# KiCad board ae89fa26-SparkFun_Thing_Plus_ESP32-S3_panelized.kicad_pcb
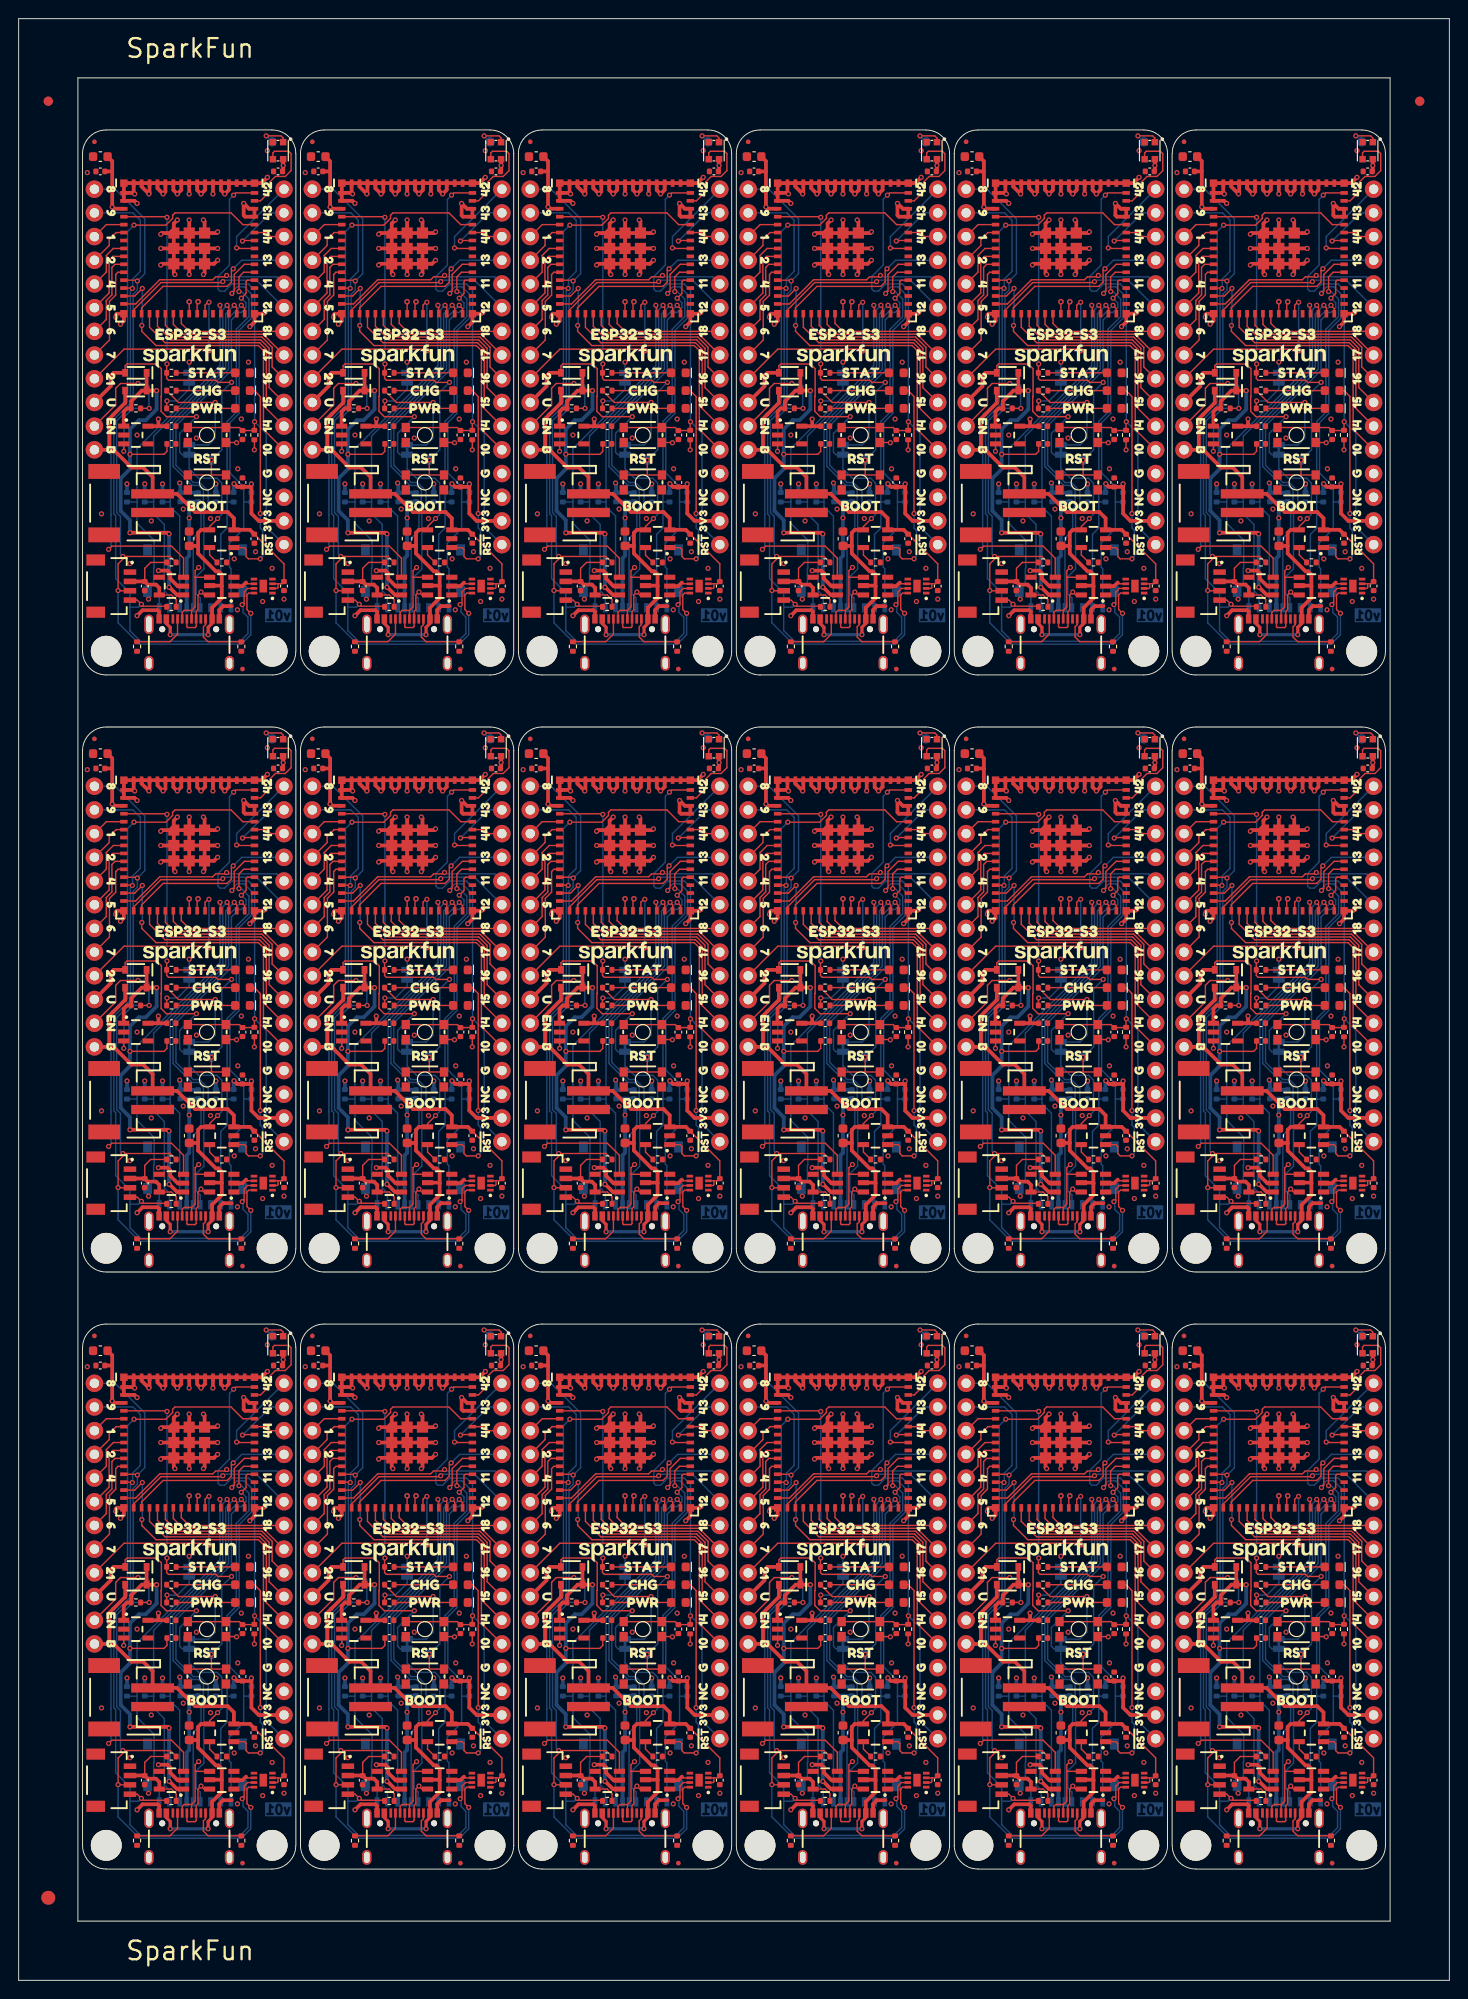
[diagram p0: board, top side]
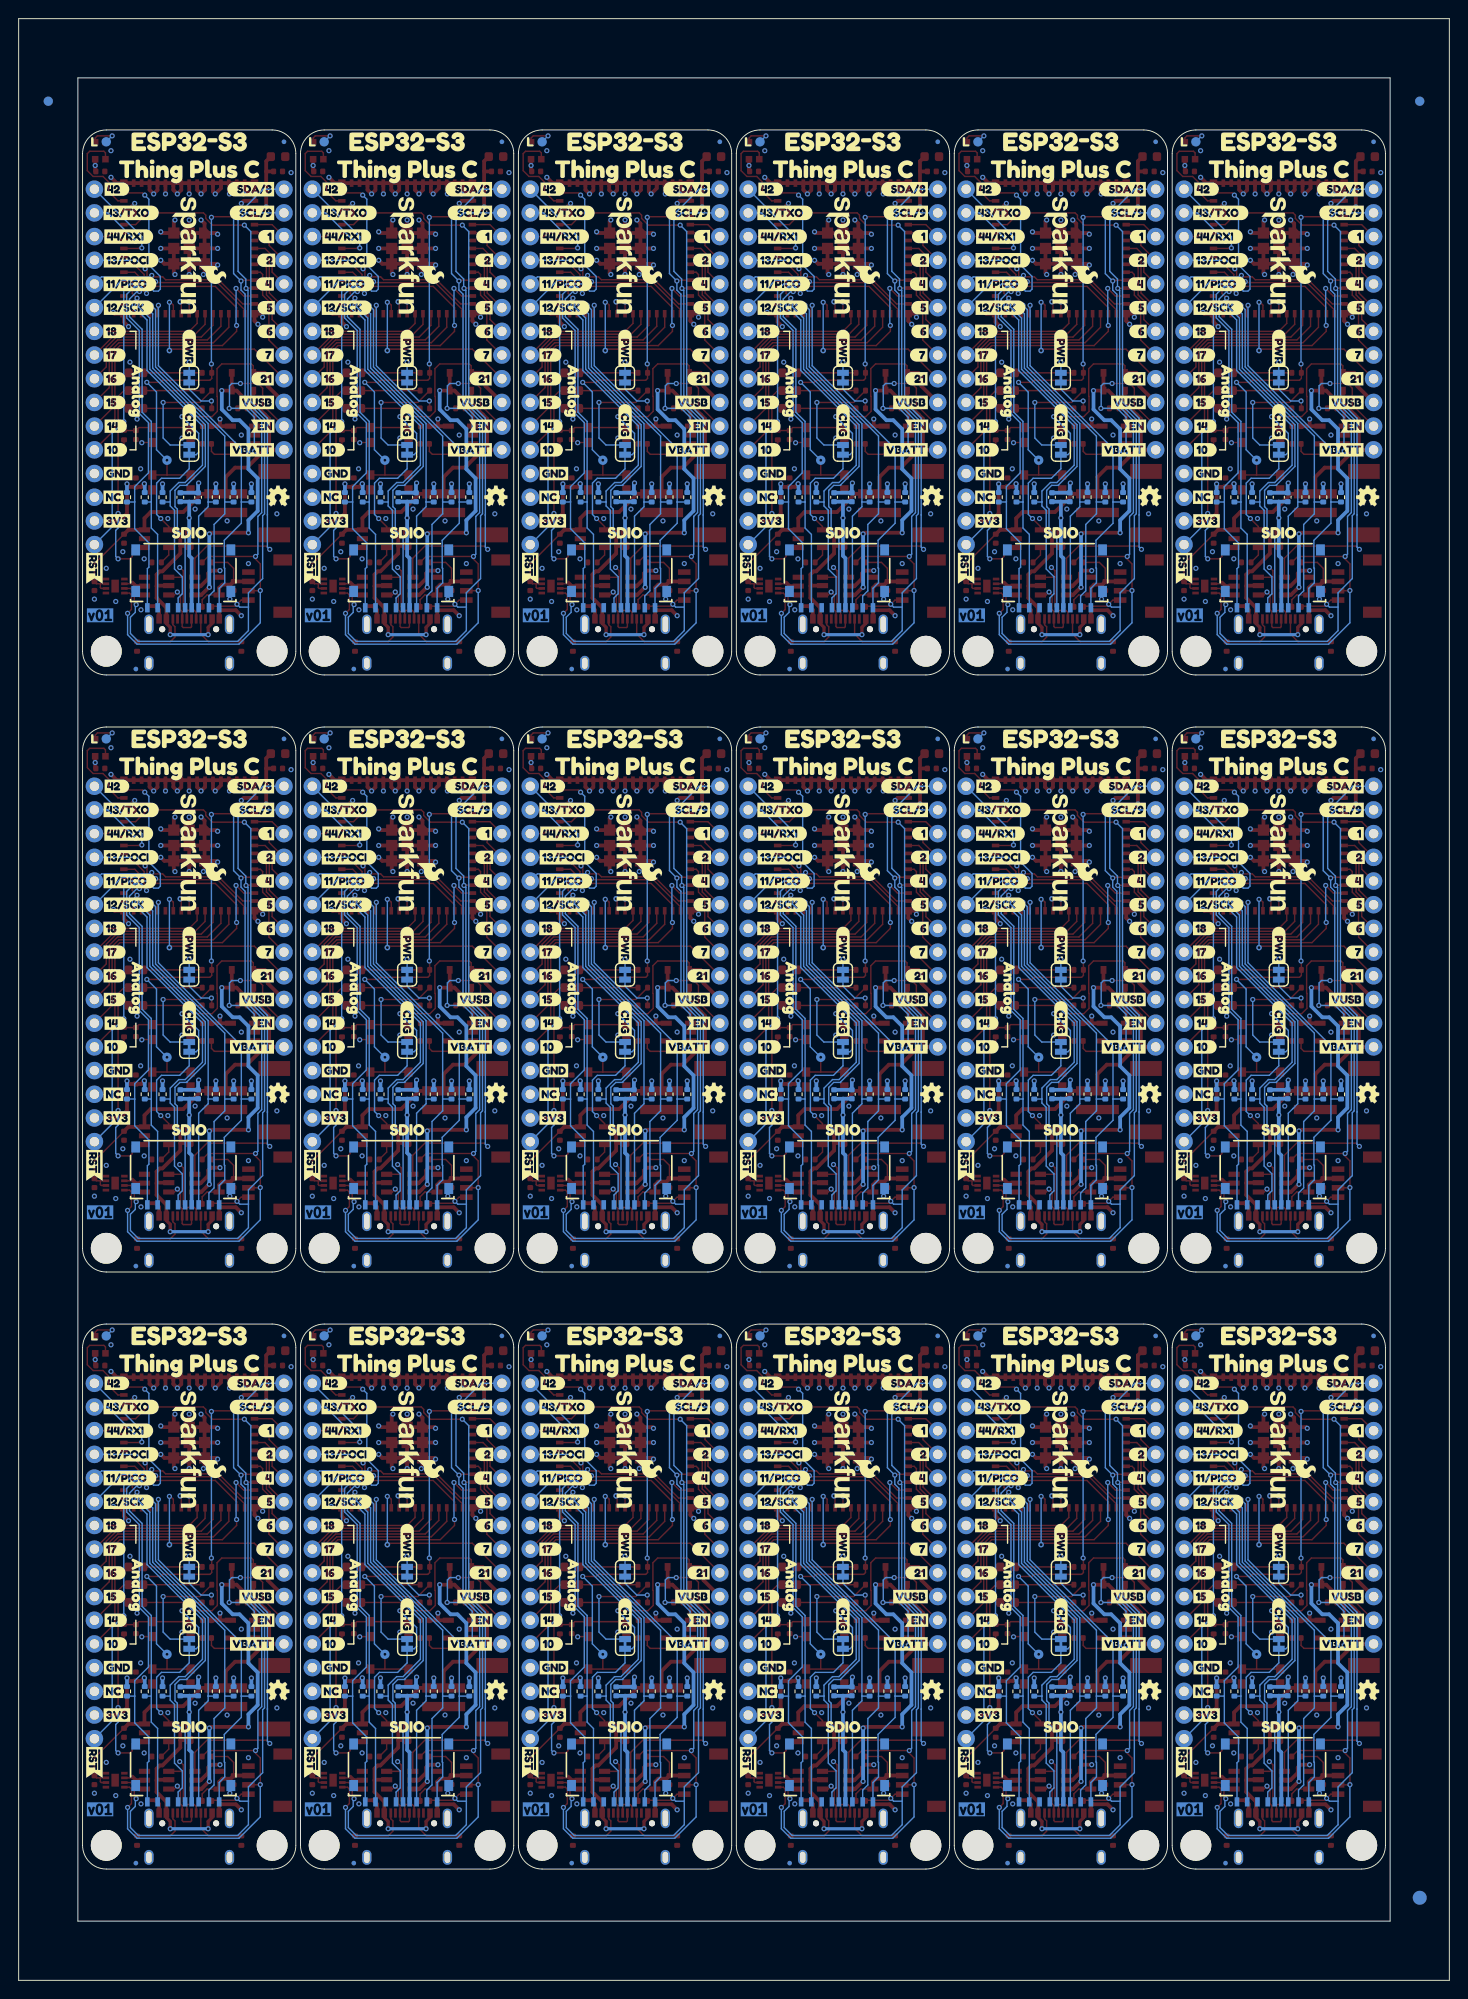
[diagram p1: board, bottom side, seen from below]

Outline 153.36 x 210.28 mm; copper layers: Top, In1.Cu - GND, In2.Cu -3V3, Bottom. Coordinates in mm from the lower left corner of the outline.
Outline path: 0,210.28 153.36,210.28 153.36,0 0,0 0,210.28 ; 6.35,203.93 147.01,203.93 147.01,6.35 6.35,6.35 6.35,203.93 ; 6.85,195.81 arc(7.59,197.61) 9.39,198.35 27.17,198.35 arc(28.97,197.61) 29.71,195.81 29.71,142.47 arc(28.97,140.67) 27.17,139.93 9.39,139.93 arc(7.59,140.67) 6.85,142.47 6.85,195.81 ; 6.85,131.81 arc(7.59,133.61) 9.39,134.35 27.17,134.35 arc(28.97,133.61) 29.71,131.81 29.71,78.47 arc(28.97,76.67) 27.17,75.93 9.39,75.93 arc(7.59,76.67) 6.85,78.47 6.85,131.81 ; 6.85,67.81 arc(7.59,69.61) 9.39,70.35 27.17,70.35 arc(28.97,69.61) 29.71,67.81 29.71,14.47 arc(28.97,12.67) 27.17,11.93 9.39,11.93 arc(7.59,12.67) 6.85,14.47 6.85,67.81 ; 30.21,195.81 arc(30.95,197.61) 32.75,198.35 50.53,198.35 arc(52.33,197.61) 53.07,195.81 53.07,142.47 arc(52.33,140.67) 50.53,139.93 32.75,139.93 arc(30.95,140.67) 30.21,142.47 30.21,195.81 ; 30.21,131.81 arc(30.95,133.61) 32.75,134.35 50.53,134.35 arc(52.33,133.61) 53.07,131.81 53.07,78.47 arc(52.33,76.67) 50.53,75.93 32.75,75.93 arc(30.95,76.67) 30.21,78.47 30.21,131.81 ; 30.21,67.81 arc(30.95,69.61) 32.75,70.35 50.53,70.35 arc(52.33,69.61) 53.07,67.81 53.07,14.47 arc(52.33,12.67) 50.53,11.93 32.75,11.93 arc(30.95,12.67) 30.21,14.47 30.21,67.81 ; 53.57,195.81 arc(54.31,197.61) 56.11,198.35 73.89,198.35 arc(75.69,197.61) 76.43,195.81 76.43,142.47 arc(75.69,140.67) 73.89,139.93 56.11,139.93 arc(54.31,140.67) 53.57,142.47 53.57,195.81 ; 53.57,131.81 arc(54.31,133.61) 56.11,134.35 73.89,134.35 arc(75.69,133.61) 76.43,131.81 76.43,78.47 arc(75.69,76.67) 73.89,75.93 56.11,75.93 arc(54.31,76.67) 53.57,78.47 53.57,131.81 ; 53.57,67.81 arc(54.31,69.61) 56.11,70.35 73.89,70.35 arc(75.69,69.61) 76.43,67.81 76.43,14.47 arc(75.69,12.67) 73.89,11.93 56.11,11.93 arc(54.31,12.67) 53.57,14.47 53.57,67.81 ; 76.93,195.81 arc(77.67,197.61) 79.47,198.35 97.25,198.35 arc(99.05,197.61) 99.79,195.81 99.79,142.47 arc(99.05,140.67) 97.25,139.93 79.47,139.93 arc(77.67,140.67) 76.93,142.47 76.93,195.81 ; 76.93,131.81 arc(77.67,133.61) 79.47,134.35 97.25,134.35 arc(99.05,133.61) 99.79,131.81 99.79,78.47 arc(99.05,76.67) 97.25,75.93 79.47,75.93 arc(77.67,76.67) 76.93,78.47 76.93,131.81 ; 76.93,67.81 arc(77.67,69.61) 79.47,70.35 97.25,70.35 arc(99.05,69.61) 99.79,67.81 99.79,14.47 arc(99.05,12.67) 97.25,11.93 79.47,11.93 arc(77.67,12.67) 76.93,14.47 76.93,67.81 ; 100.29,195.81 arc(101.03,197.61) 102.83,198.35 120.61,198.35 arc(122.41,197.61) 123.15,195.81 123.15,142.47 arc(122.41,140.67) 120.61,139.93 102.83,139.93 arc(101.03,140.67) 100.29,142.47 100.29,195.81 ; 100.29,131.81 arc(101.03,133.61) 102.83,134.35 120.61,134.35 arc(122.41,133.61) 123.15,131.81 123.15,78.47 arc(122.41,76.67) 120.61,75.93 102.83,75.93 arc(101.03,76.67) 100.29,78.47 100.29,131.81 ; 100.29,67.81 arc(101.03,69.61) 102.83,70.35 120.61,70.35 arc(122.41,69.61) 123.15,67.81 123.15,14.47 arc(122.41,12.67) 120.61,11.93 102.83,11.93 arc(101.03,12.67) 100.29,14.47 100.29,67.81 ; 123.65,195.81 arc(124.39,197.61) 126.19,198.35 143.97,198.35 arc(145.77,197.61) 146.51,195.81 146.51,142.47 arc(145.77,140.67) 143.97,139.93 126.19,139.93 arc(124.39,140.67) 123.65,142.47 123.65,195.81 ; 123.65,131.81 arc(124.39,133.61) 126.19,134.35 143.97,134.35 arc(145.77,133.61) 146.51,131.81 146.51,78.47 arc(145.77,76.67) 143.97,75.93 126.19,75.93 arc(124.39,76.67) 123.65,78.47 123.65,131.81 ; 123.65,67.81 arc(124.39,69.61) 126.19,70.35 143.97,70.35 arc(145.77,69.61) 146.51,67.81 146.51,14.47 arc(145.77,12.67) 143.97,11.93 126.19,11.93 arc(124.39,12.67) 123.65,14.47 123.65,67.81
Stack: Top 0.035mm / dielectric 0.1mm FR4 er 4.5 / In1.Cu - GND 0.035mm / dielectric 1.24mm FR4 er 4.5 / In2.Cu -3V3 0.035mm / dielectric 0.1mm FR4 er 4.5 / Bottom 0.035mm

## Placement (name value [footprint] x y rotation side)
C1  22uF  [C_0603_1608Metric]  55.47 195.49 0 top
C1#2  22uF  [C_0603_1608Metric]  32.11 67.49 0 top
C1#3  22uF  [C_0603_1608Metric]  102.19 131.49 0 top
C1#4  22uF  [C_0603_1608Metric]  125.56 67.49 0 top
C1#5  22uF  [C_0603_1608Metric]  32.11 131.49 0 top
C1#6  22uF  [C_0603_1608Metric]  32.11 195.49 0 top
C1#7  22uF  [C_0603_1608Metric]  8.75 195.49 0 top
C1#8  22uF  [C_0603_1608Metric]  8.75 131.49 0 top
C1#9  22uF  [C_0603_1608Metric]  55.47 67.49 0 top
C1#10  22uF  [C_0603_1608Metric]  55.47 131.49 0 top
C1#11  22uF  [C_0603_1608Metric]  78.84 67.49 0 top
C1#12  22uF  [C_0603_1608Metric]  78.84 131.49 0 top
C1#13  22uF  [C_0603_1608Metric]  78.84 195.49 0 top
C1#14  22uF  [C_0603_1608Metric]  102.19 67.49 0 top
C1#15  22uF  [C_0603_1608Metric]  102.19 195.49 0 top
C1#16  22uF  [C_0603_1608Metric]  125.56 131.49 0 top
C1#17  22uF  [C_0603_1608Metric]  125.56 195.49 0 top
C1#18  22uF  [C_0603_1608Metric]  8.75 67.49 0 top
C2  0.1uF  [C_0402_1005Metric]  28.44 21.46 270 top
C2#2  0.1uF  [C_0402_1005Metric]  28.44 85.46 270 top
C2#3  0.1uF  [C_0402_1005Metric]  98.52 85.46 270 top
C2#4  0.1uF  [C_0402_1005Metric]  51.8 85.46 270 top
C2#5  0.1uF  [C_0402_1005Metric]  75.16 85.46 270 top
C2#6  0.1uF  [C_0402_1005Metric]  51.8 21.46 270 top
C2#7  0.1uF  [C_0402_1005Metric]  28.44 149.46 270 top
C2#8  0.1uF  [C_0402_1005Metric]  75.16 21.46 270 top
C2#9  0.1uF  [C_0402_1005Metric]  75.16 149.46 270 top
C2#10  0.1uF  [C_0402_1005Metric]  98.52 21.46 270 top
C2#11  0.1uF  [C_0402_1005Metric]  51.8 149.46 270 top
C2#12  0.1uF  [C_0402_1005Metric]  121.88 85.46 270 top
C2#13  0.1uF  [C_0402_1005Metric]  145.24 149.46 270 top
C2#14  0.1uF  [C_0402_1005Metric]  98.52 149.46 270 top
C2#15  0.1uF  [C_0402_1005Metric]  121.88 21.46 270 top
C2#16  0.1uF  [C_0402_1005Metric]  121.88 149.46 270 top
C2#17  0.1uF  [C_0402_1005Metric]  145.24 21.46 270 top
C2#18  0.1uF  [C_0402_1005Metric]  145.24 85.46 270 top
C3  1.0uF  [C_0402_1005Metric]  13.52 21.46 270 top
C3#2  1.0uF  [C_0402_1005Metric]  13.52 85.46 270 top
C3#3  1.0uF  [C_0402_1005Metric]  13.52 149.46 270 top
C3#4  1.0uF  [C_0402_1005Metric]  36.88 21.46 270 top
C3#5  1.0uF  [C_0402_1005Metric]  36.88 85.46 270 top
C3#6  1.0uF  [C_0402_1005Metric]  130.32 85.46 270 top
C3#7  1.0uF  [C_0402_1005Metric]  106.96 85.46 270 top
C3#8  1.0uF  [C_0402_1005Metric]  130.32 149.46 270 top
C3#9  1.0uF  [C_0402_1005Metric]  83.6 21.46 270 top
C3#10  1.0uF  [C_0402_1005Metric]  36.88 149.46 270 top
C3#11  1.0uF  [C_0402_1005Metric]  60.24 149.46 270 top
C3#12  1.0uF  [C_0402_1005Metric]  60.24 85.46 270 top
C3#13  1.0uF  [C_0402_1005Metric]  83.6 149.46 270 top
C3#14  1.0uF  [C_0402_1005Metric]  106.96 149.46 270 top
C3#15  1.0uF  [C_0402_1005Metric]  130.32 21.46 270 top
C3#16  1.0uF  [C_0402_1005Metric]  60.24 21.46 270 top
C3#17  1.0uF  [C_0402_1005Metric]  83.6 85.46 270 top
C3#18  1.0uF  [C_0402_1005Metric]  106.96 21.46 270 top
C4  10uF  [C_0402_1005Metric]  17.33 30.98 90 bottom
C4#2  10uF  [C_0402_1005Metric]  64.05 158.98 90 bottom
C4#3  10uF  [C_0402_1005Metric]  110.77 30.98 90 bottom
C4#4  10uF  [C_0402_1005Metric]  40.69 94.98 90 bottom
C4#5  10uF  [C_0402_1005Metric]  40.69 158.98 90 bottom
C4#6  10uF  [C_0402_1005Metric]  17.33 94.98 90 bottom
C4#7  10uF  [C_0402_1005Metric]  64.05 30.98 90 bottom
C4#8  10uF  [C_0402_1005Metric]  17.33 158.98 90 bottom
C4#9  10uF  [C_0402_1005Metric]  64.05 94.98 90 bottom
C4#10  10uF  [C_0402_1005Metric]  40.69 30.98 90 bottom
C4#11  10uF  [C_0402_1005Metric]  87.41 30.98 90 bottom
C4#12  10uF  [C_0402_1005Metric]  87.41 94.98 90 bottom
C4#13  10uF  [C_0402_1005Metric]  87.41 158.98 90 bottom
C4#14  10uF  [C_0402_1005Metric]  110.77 94.98 90 bottom
C4#15  10uF  [C_0402_1005Metric]  110.77 158.98 90 bottom
C4#16  10uF  [C_0402_1005Metric]  134.13 30.98 90 bottom
C4#17  10uF  [C_0402_1005Metric]  134.13 94.98 90 bottom
C4#18  10uF  [C_0402_1005Metric]  134.13 158.98 90 bottom
C5  0.1uF  [C_0402_1005Metric]  19.23 158.98 90 bottom
C5#2  0.1uF  [C_0402_1005Metric]  19.23 94.98 90 bottom
C5#3  0.1uF  [C_0402_1005Metric]  112.67 30.98 90 bottom
C5#4  0.1uF  [C_0402_1005Metric]  42.59 30.98 90 bottom
C5#5  0.1uF  [C_0402_1005Metric]  42.59 94.98 90 bottom
C5#6  0.1uF  [C_0402_1005Metric]  42.59 158.98 90 bottom
C5#7  0.1uF  [C_0402_1005Metric]  65.95 94.98 90 bottom
C5#8  0.1uF  [C_0402_1005Metric]  65.95 30.98 90 bottom
C5#9  0.1uF  [C_0402_1005Metric]  65.95 158.98 90 bottom
C5#10  0.1uF  [C_0402_1005Metric]  89.31 94.98 90 bottom
C5#11  0.1uF  [C_0402_1005Metric]  89.31 30.98 90 bottom
C5#12  0.1uF  [C_0402_1005Metric]  89.31 158.98 90 bottom
C5#13  0.1uF  [C_0402_1005Metric]  136.03 30.98 90 bottom
C5#14  0.1uF  [C_0402_1005Metric]  136.03 158.98 90 bottom
C5#15  0.1uF  [C_0402_1005Metric]  112.67 94.98 90 bottom
C5#16  0.1uF  [C_0402_1005Metric]  112.67 158.98 90 bottom
C5#17  0.1uF  [C_0402_1005Metric]  136.03 94.98 90 bottom
C5#18  0.1uF  [C_0402_1005Metric]  19.23 30.98 90 bottom
C6  1.0uF  [C_0402_1005Metric]  47.35 165.65 270 top
C6#2  1.0uF  [C_0402_1005Metric]  70.72 101.65 270 top
C6#3  1.0uF  [C_0402_1005Metric]  47.35 37.65 270 top
C6#4  1.0uF  [C_0402_1005Metric]  117.44 101.65 270 top
C6#5  1.0uF  [C_0402_1005Metric]  117.44 165.65 270 top
C6#6  1.0uF  [C_0402_1005Metric]  47.35 101.65 270 top
C6#7  1.0uF  [C_0402_1005Metric]  94.07 37.65 270 top
C6#8  1.0uF  [C_0402_1005Metric]  24 165.65 270 top
C6#9  1.0uF  [C_0402_1005Metric]  24 101.65 270 top
C6#10  1.0uF  [C_0402_1005Metric]  70.72 37.65 270 top
C6#11  1.0uF  [C_0402_1005Metric]  94.07 165.65 270 top
C6#12  1.0uF  [C_0402_1005Metric]  70.72 165.65 270 top
C6#13  1.0uF  [C_0402_1005Metric]  117.44 37.65 270 top
C6#14  1.0uF  [C_0402_1005Metric]  94.07 101.65 270 top
C6#15  1.0uF  [C_0402_1005Metric]  140.79 101.65 270 top
C6#16  1.0uF  [C_0402_1005Metric]  140.79 37.65 270 top
C6#17  1.0uF  [C_0402_1005Metric]  140.79 165.65 270 top
C6#18  1.0uF  [C_0402_1005Metric]  24 37.65 270 top
C7  4.7uF  [C_0402_1005Metric]  8.75 193.91 180 top
C7#2  4.7uF  [C_0402_1005Metric]  55.47 129.91 180 top
C7#3  4.7uF  [C_0402_1005Metric]  55.47 65.91 180 top
C7#4  4.7uF  [C_0402_1005Metric]  102.19 129.91 180 top
C7#5  4.7uF  [C_0402_1005Metric]  55.47 193.91 180 top
C7#6  4.7uF  [C_0402_1005Metric]  32.11 129.91 180 top
C7#7  4.7uF  [C_0402_1005Metric]  32.11 193.91 180 top
C7#8  4.7uF  [C_0402_1005Metric]  8.75 129.91 180 top
C7#9  4.7uF  [C_0402_1005Metric]  32.11 65.91 180 top
C7#10  4.7uF  [C_0402_1005Metric]  78.84 65.91 180 top
C7#11  4.7uF  [C_0402_1005Metric]  78.84 129.91 180 top
C7#12  4.7uF  [C_0402_1005Metric]  78.84 193.91 180 top
C7#13  4.7uF  [C_0402_1005Metric]  102.19 65.91 180 top
C7#14  4.7uF  [C_0402_1005Metric]  125.56 129.91 180 top
C7#15  4.7uF  [C_0402_1005Metric]  125.56 65.91 180 top
C7#16  4.7uF  [C_0402_1005Metric]  102.19 193.91 180 top
C7#17  4.7uF  [C_0402_1005Metric]  125.56 193.91 180 top
C7#18  4.7uF  [C_0402_1005Metric]  8.75 65.91 180 top
C8  0.1uF  [C_0402_1005Metric]  121.25 129.91 180 top
C8#2  0.1uF  [C_0402_1005Metric]  27.81 65.91 180 top
C8#3  0.1uF  [C_0402_1005Metric]  51.16 65.91 180 top
C8#4  0.1uF  [C_0402_1005Metric]  27.81 129.91 180 top
C8#5  0.1uF  [C_0402_1005Metric]  27.81 193.91 180 top
C8#6  0.1uF  [C_0402_1005Metric]  74.53 129.91 180 top
C8#7  0.1uF  [C_0402_1005Metric]  121.25 65.91 180 top
C8#8  0.1uF  [C_0402_1005Metric]  144.6 129.91 180 top
C8#9  0.1uF  [C_0402_1005Metric]  144.6 65.91 180 top
C8#10  0.1uF  [C_0402_1005Metric]  144.6 193.91 180 top
C8#11  0.1uF  [C_0402_1005Metric]  97.88 129.91 180 top
C8#12  0.1uF  [C_0402_1005Metric]  97.88 193.91 180 top
C8#13  0.1uF  [C_0402_1005Metric]  51.16 129.91 180 top
C8#14  0.1uF  [C_0402_1005Metric]  74.53 65.91 180 top
C8#15  0.1uF  [C_0402_1005Metric]  51.16 193.91 180 top
C8#16  0.1uF  [C_0402_1005Metric]  74.53 193.91 180 top
C8#17  0.1uF  [C_0402_1005Metric]  97.88 65.91 180 top
C8#18  0.1uF  [C_0402_1005Metric]  121.25 193.91 180 top
C9  4.7uF  [C_0603_1608Metric]  18.28 26.54 90 top
C9#2  4.7uF  [C_0603_1608Metric]  18.28 90.54 90 top
C9#3  4.7uF  [C_0603_1608Metric]  135.08 90.54 90 top
C9#4  4.7uF  [C_0603_1608Metric]  88.36 154.54 90 top
C9#5  4.7uF  [C_0603_1608Metric]  41.64 90.54 90 top
C9#6  4.7uF  [C_0603_1608Metric]  135.08 154.54 90 top
C9#7  4.7uF  [C_0603_1608Metric]  41.64 154.54 90 top
C9#8  4.7uF  [C_0603_1608Metric]  65 26.54 90 top
C9#9  4.7uF  [C_0603_1608Metric]  65 154.54 90 top
C9#10  4.7uF  [C_0603_1608Metric]  88.36 90.54 90 top
C9#11  4.7uF  [C_0603_1608Metric]  41.64 26.54 90 top
C9#12  4.7uF  [C_0603_1608Metric]  18.28 154.54 90 top
C9#13  4.7uF  [C_0603_1608Metric]  88.36 26.54 90 top
C9#14  4.7uF  [C_0603_1608Metric]  111.72 26.54 90 top
C9#15  4.7uF  [C_0603_1608Metric]  111.72 154.54 90 top
C9#16  4.7uF  [C_0603_1608Metric]  65 90.54 90 top
C9#17  4.7uF  [C_0603_1608Metric]  111.72 90.54 90 top
C9#18  4.7uF  [C_0603_1608Metric]  135.08 26.54 90 top
C10  1.0uF  [C_0402_1005Metric]  86.46 36.7 0 top
C10#2  1.0uF  [C_0402_1005Metric]  63.09 164.7 0 top
C10#3  1.0uF  [C_0402_1005Metric]  86.46 164.7 0 top
C10#4  1.0uF  [C_0402_1005Metric]  16.38 100.7 0 top
C10#5  1.0uF  [C_0402_1005Metric]  63.09 36.7 0 top
C10#6  1.0uF  [C_0402_1005Metric]  133.18 36.7 0 top
C10#7  1.0uF  [C_0402_1005Metric]  133.18 100.7 0 top
C10#8  1.0uF  [C_0402_1005Metric]  39.74 36.7 0 top
C10#9  1.0uF  [C_0402_1005Metric]  133.18 164.7 0 top
C10#10  1.0uF  [C_0402_1005Metric]  86.46 100.7 0 top
C10#11  1.0uF  [C_0402_1005Metric]  16.38 164.7 0 top
C10#12  1.0uF  [C_0402_1005Metric]  109.81 100.7 0 top
C10#13  1.0uF  [C_0402_1005Metric]  109.81 164.7 0 top
C10#14  1.0uF  [C_0402_1005Metric]  39.74 100.7 0 top
C10#15  1.0uF  [C_0402_1005Metric]  39.74 164.7 0 top
C10#16  1.0uF  [C_0402_1005Metric]  63.09 100.7 0 top
C10#17  1.0uF  [C_0402_1005Metric]  109.81 36.7 0 top
C10#18  1.0uF  [C_0402_1005Metric]  16.38 36.7 0 top
C11  0.1uF  [C_0402_1005Metric]  94.07 96.57 90 top
C11#2  0.1uF  [C_0402_1005Metric]  24 96.57 90 top
C11#3  0.1uF  [C_0402_1005Metric]  47.35 32.57 90 top
C11#4  0.1uF  [C_0402_1005Metric]  140.79 32.57 90 top
C11#5  0.1uF  [C_0402_1005Metric]  140.79 160.57 90 top
C11#6  0.1uF  [C_0402_1005Metric]  94.07 160.57 90 top
C11#7  0.1uF  [C_0402_1005Metric]  70.72 32.57 90 top
C11#8  0.1uF  [C_0402_1005Metric]  140.79 96.57 90 top
C11#9  0.1uF  [C_0402_1005Metric]  94.07 32.57 90 top
C11#10  0.1uF  [C_0402_1005Metric]  24 160.57 90 top
C11#11  0.1uF  [C_0402_1005Metric]  47.35 96.57 90 top
C11#12  0.1uF  [C_0402_1005Metric]  70.72 160.57 90 top
C11#13  0.1uF  [C_0402_1005Metric]  70.72 96.57 90 top
C11#14  0.1uF  [C_0402_1005Metric]  47.35 160.57 90 top
C11#15  0.1uF  [C_0402_1005Metric]  117.44 32.57 90 top
C11#16  0.1uF  [C_0402_1005Metric]  117.44 96.57 90 top
C11#17  0.1uF  [C_0402_1005Metric]  117.44 160.57 90 top
C11#18  0.1uF  [C_0402_1005Metric]  24 32.57 90 top
C12  4.7uF  [C_0402_1005Metric]  25.27 26.54 270 top
C12#2  4.7uF  [C_0402_1005Metric]  25.27 154.54 270 top
C12#3  4.7uF  [C_0402_1005Metric]  25.27 90.54 270 top
C12#4  4.7uF  [C_0402_1005Metric]  48.62 90.54 270 top
C12#5  4.7uF  [C_0402_1005Metric]  71.99 26.54 270 top
C12#6  4.7uF  [C_0402_1005Metric]  71.99 90.54 270 top
C12#7  4.7uF  [C_0402_1005Metric]  71.99 154.54 270 top
C12#8  4.7uF  [C_0402_1005Metric]  48.62 154.54 270 top
C12#9  4.7uF  [C_0402_1005Metric]  48.62 26.54 270 top
C12#10  4.7uF  [C_0402_1005Metric]  95.34 26.54 270 top
C12#11  4.7uF  [C_0402_1005Metric]  142.06 90.54 270 top
C12#12  4.7uF  [C_0402_1005Metric]  95.34 154.54 270 top
C12#13  4.7uF  [C_0402_1005Metric]  118.71 154.54 270 top
C12#14  4.7uF  [C_0402_1005Metric]  142.06 26.54 270 top
C12#15  4.7uF  [C_0402_1005Metric]  95.34 90.54 270 top
C12#16  4.7uF  [C_0402_1005Metric]  118.71 26.54 270 top
C12#17  4.7uF  [C_0402_1005Metric]  118.71 90.54 270 top
C12#18  4.7uF  [C_0402_1005Metric]  142.06 154.54 270 top
C13  1.0uF  [C_0402_1005Metric]  16.38 102.6 0 top
C13#2  1.0uF  [C_0402_1005Metric]  133.18 38.6 0 top
C13#3  1.0uF  [C_0402_1005Metric]  63.09 38.6 0 top
C13#4  1.0uF  [C_0402_1005Metric]  39.74 38.6 0 top
C13#5  1.0uF  [C_0402_1005Metric]  16.38 166.6 0 top
C13#6  1.0uF  [C_0402_1005Metric]  39.74 102.6 0 top
C13#7  1.0uF  [C_0402_1005Metric]  39.74 166.6 0 top
C13#8  1.0uF  [C_0402_1005Metric]  63.09 102.6 0 top
C13#9  1.0uF  [C_0402_1005Metric]  63.09 166.6 0 top
C13#10  1.0uF  [C_0402_1005Metric]  86.46 38.6 0 top
C13#11  1.0uF  [C_0402_1005Metric]  86.46 102.6 0 top
C13#12  1.0uF  [C_0402_1005Metric]  86.46 166.6 0 top
C13#13  1.0uF  [C_0402_1005Metric]  109.81 102.6 0 top
C13#14  1.0uF  [C_0402_1005Metric]  109.81 166.6 0 top
C13#15  1.0uF  [C_0402_1005Metric]  109.81 38.6 0 top
C13#16  1.0uF  [C_0402_1005Metric]  133.18 102.6 0 top
C13#17  1.0uF  [C_0402_1005Metric]  133.18 166.6 0 top
C13#18  1.0uF  [C_0402_1005Metric]  16.38 38.6 0 top
D1  Green  [LED_0603_1608Metric]  24 108.32 180 top
D1#2  Green  [LED_0603_1608Metric]  24 172.32 180 top
D1#3  Green  [LED_0603_1608Metric]  47.35 44.32 180 top
D1#4  Green  [LED_0603_1608Metric]  70.72 44.32 180 top
D1#5  Green  [LED_0603_1608Metric]  117.44 108.32 180 top
D1#6  Green  [LED_0603_1608Metric]  94.07 44.32 180 top
D1#7  Green  [LED_0603_1608Metric]  70.72 108.32 180 top
D1#8  Green  [LED_0603_1608Metric]  117.44 172.32 180 top
D1#9  Green  [LED_0603_1608Metric]  140.79 44.32 180 top
D1#10  Green  [LED_0603_1608Metric]  140.79 172.32 180 top
D1#11  Green  [LED_0603_1608Metric]  70.72 172.32 180 top
D1#12  Green  [LED_0603_1608Metric]  94.07 172.32 180 top
D1#13  Green  [LED_0603_1608Metric]  47.35 172.32 180 top
D1#14  Green  [LED_0603_1608Metric]  47.35 108.32 180 top
D1#15  Green  [LED_0603_1608Metric]  94.07 108.32 180 top
D1#16  Green  [LED_0603_1608Metric]  117.44 44.32 180 top
D1#17  Green  [LED_0603_1608Metric]  140.79 108.32 180 top
D1#18  Green  [LED_0603_1608Metric]  24 44.32 180 top
D2  3A  [SOD-323]  82.65 108.32 180 top
D2#2  3A  [SOD-323]  59.28 108.32 180 top
D2#3  3A  [SOD-323]  59.28 172.32 180 top
D2#4  3A  [SOD-323]  59.28 44.32 180 top
D2#5  3A  [SOD-323]  106 44.32 180 top
D2#6  3A  [SOD-323]  82.65 44.32 180 top
D2#7  3A  [SOD-323]  12.56 108.32 180 top
D2#8  3A  [SOD-323]  35.93 44.32 180 top
D2#9  3A  [SOD-323]  35.93 108.32 180 top
D2#10  3A  [SOD-323]  12.56 172.32 180 top
D2#11  3A  [SOD-323]  35.93 172.32 180 top
D2#12  3A  [SOD-323]  106 108.32 180 top
D2#13  3A  [SOD-323]  106 172.32 180 top
D2#14  3A  [SOD-323]  129.37 44.32 180 top
D2#15  3A  [SOD-323]  129.37 108.32 180 top
D2#16  3A  [SOD-323]  129.37 172.32 180 top
D2#17  3A  [SOD-323]  82.65 172.32 180 top
D2#18  3A  [SOD-323]  12.56 44.32 180 top
D3  3A  [SOD-323]  12.56 106.41 180 top
D3#2  3A  [SOD-323]  82.65 170.41 180 top
D3#3  3A  [SOD-323]  35.93 42.41 180 top
D3#4  3A  [SOD-323]  12.56 170.41 180 top
D3#5  3A  [SOD-323]  35.93 170.41 180 top
D3#6  3A  [SOD-323]  59.28 170.41 180 top
D3#7  3A  [SOD-323]  35.93 106.41 180 top
D3#8  3A  [SOD-323]  82.65 42.41 180 top
D3#9  3A  [SOD-323]  59.28 42.41 180 top
D3#10  3A  [SOD-323]  59.28 106.41 180 top
D3#11  3A  [SOD-323]  82.65 106.41 180 top
D3#12  3A  [SOD-323]  106 170.41 180 top
D3#13  3A  [SOD-323]  129.37 42.41 180 top
D3#14  3A  [SOD-323]  129.37 106.41 180 top
D3#15  3A  [SOD-323]  129.37 170.41 180 top
D3#16  3A  [SOD-323]  106 106.41 180 top
D3#17  3A  [SOD-323]  106 42.41 180 top
D3#18  3A  [SOD-323]  12.56 42.41 180 top
D4  Yellow  [LED_0603_1608Metric]  140.79 170.41 180 top
D4#2  Yellow  [LED_0603_1608Metric]  24 42.41 180 top
D4#3  Yellow  [LED_0603_1608Metric]  24 106.41 180 top
D4#4  Yellow  [LED_0603_1608Metric]  47.35 106.41 180 top
D4#5  Yellow  [LED_0603_1608Metric]  24 170.41 180 top
D4#6  Yellow  [LED_0603_1608Metric]  70.72 106.41 180 top
D4#7  Yellow  [LED_0603_1608Metric]  117.44 42.41 180 top
D4#8  Yellow  [LED_0603_1608Metric]  117.44 170.41 180 top
D4#9  Yellow  [LED_0603_1608Metric]  140.79 106.41 180 top
D4#10  Yellow  [LED_0603_1608Metric]  70.72 170.41 180 top
D4#11  Yellow  [LED_0603_1608Metric]  70.72 42.41 180 top
D4#12  Yellow  [LED_0603_1608Metric]  94.07 42.41 180 top
D4#13  Yellow  [LED_0603_1608Metric]  94.07 170.41 180 top
D4#14  Yellow  [LED_0603_1608Metric]  47.35 170.41 180 top
D4#15  Yellow  [LED_0603_1608Metric]  94.07 106.41 180 top
D4#16  Yellow  [LED_0603_1608Metric]  117.44 106.41 180 top
D4#17  Yellow  [LED_0603_1608Metric]  140.79 42.41 180 top
D4#18  Yellow  [LED_0603_1608Metric]  47.35 42.41 180 top
D5  Red  [LED_0603_1608Metric]  47.35 168.51 180 top
D5#2  Red  [LED_0603_1608Metric]  70.72 168.51 180 top
D5#3  Red  [LED_0603_1608Metric]  94.07 104.51 180 top
D5#4  Red  [LED_0603_1608Metric]  24 104.51 180 top
D5#5  Red  [LED_0603_1608Metric]  47.35 40.51 180 top
D5#6  Red  [LED_0603_1608Metric]  24 168.51 180 top
D5#7  Red  [LED_0603_1608Metric]  47.35 104.51 180 top
D5#8  Red  [LED_0603_1608Metric]  70.72 40.51 180 top
D5#9  Red  [LED_0603_1608Metric]  70.72 104.51 180 top
D5#10  Red  [LED_0603_1608Metric]  94.07 40.51 180 top
D5#11  Red  [LED_0603_1608Metric]  94.07 168.51 180 top
D5#12  Red  [LED_0603_1608Metric]  117.44 40.51 180 top
D5#13  Red  [LED_0603_1608Metric]  140.79 40.51 180 top
D5#14  Red  [LED_0603_1608Metric]  140.79 168.51 180 top
D5#15  Red  [LED_0603_1608Metric]  117.44 168.51 180 top
D5#16  Red  [LED_0603_1608Metric]  117.44 104.51 180 top
D5#17  Red  [LED_0603_1608Metric]  140.79 104.51 180 top
D5#18  Red  [LED_0603_1608Metric]  24 40.51 180 top
D6  WS2812B  [WS2812-2020]  27.81 68.13 90 top
D6#2  WS2812B  [WS2812-2020]  121.25 68.13 90 top
D6#3  WS2812B  [WS2812-2020]  97.88 132.13 90 top
D6#4  WS2812B  [WS2812-2020]  144.6 196.13 90 top
D6#5  WS2812B  [WS2812-2020]  74.53 68.13 90 top
D6#6  WS2812B  [WS2812-2020]  74.53 196.13 90 top
D6#7  WS2812B  [WS2812-2020]  51.16 132.13 90 top
D6#8  WS2812B  [WS2812-2020]  144.6 68.13 90 top
D6#9  WS2812B  [WS2812-2020]  121.25 196.13 90 top
D6#10  WS2812B  [WS2812-2020]  121.25 132.13 90 top
D6#11  WS2812B  [WS2812-2020]  97.88 196.13 90 top
D6#12  WS2812B  [WS2812-2020]  51.16 196.13 90 top
D6#13  WS2812B  [WS2812-2020]  97.88 68.13 90 top
D6#14  WS2812B  [WS2812-2020]  74.53 132.13 90 top
D6#15  WS2812B  [WS2812-2020]  144.6 132.13 90 top
D6#16  WS2812B  [WS2812-2020]  27.81 132.13 90 top
D6#17  WS2812B  [WS2812-2020]  27.81 196.13 90 top
D6#18  WS2812B  [WS2812-2020]  51.16 68.13 90 top
FID1  Fiducial_0.5  [Fiducial_0.5mm_Mask1mm]  47.35 76.57 180 bottom
FID1#2  Fiducial_0.5  [Fiducial_0.5mm_Mask1mm]  70.72 12.57 180 bottom
FID1#3  Fiducial_0.5  [Fiducial_0.5mm_Mask1mm]  24 76.57 180 bottom
FID1#4  Fiducial_0.5  [Fiducial_0.5mm_Mask1mm]  47.35 12.57 180 bottom
FID1#5  Fiducial_0.5  [Fiducial_0.5mm_Mask1mm]  24 140.56 180 bottom
FID1#6  Fiducial_0.5  [Fiducial_0.5mm_Mask1mm]  47.35 140.56 180 bottom
FID1#7  Fiducial_0.5  [Fiducial_0.5mm_Mask1mm]  117.44 12.57 180 bottom